# Altium PCB V5_BASE_V17.PcbDoc (part 1 of 2) (continued)
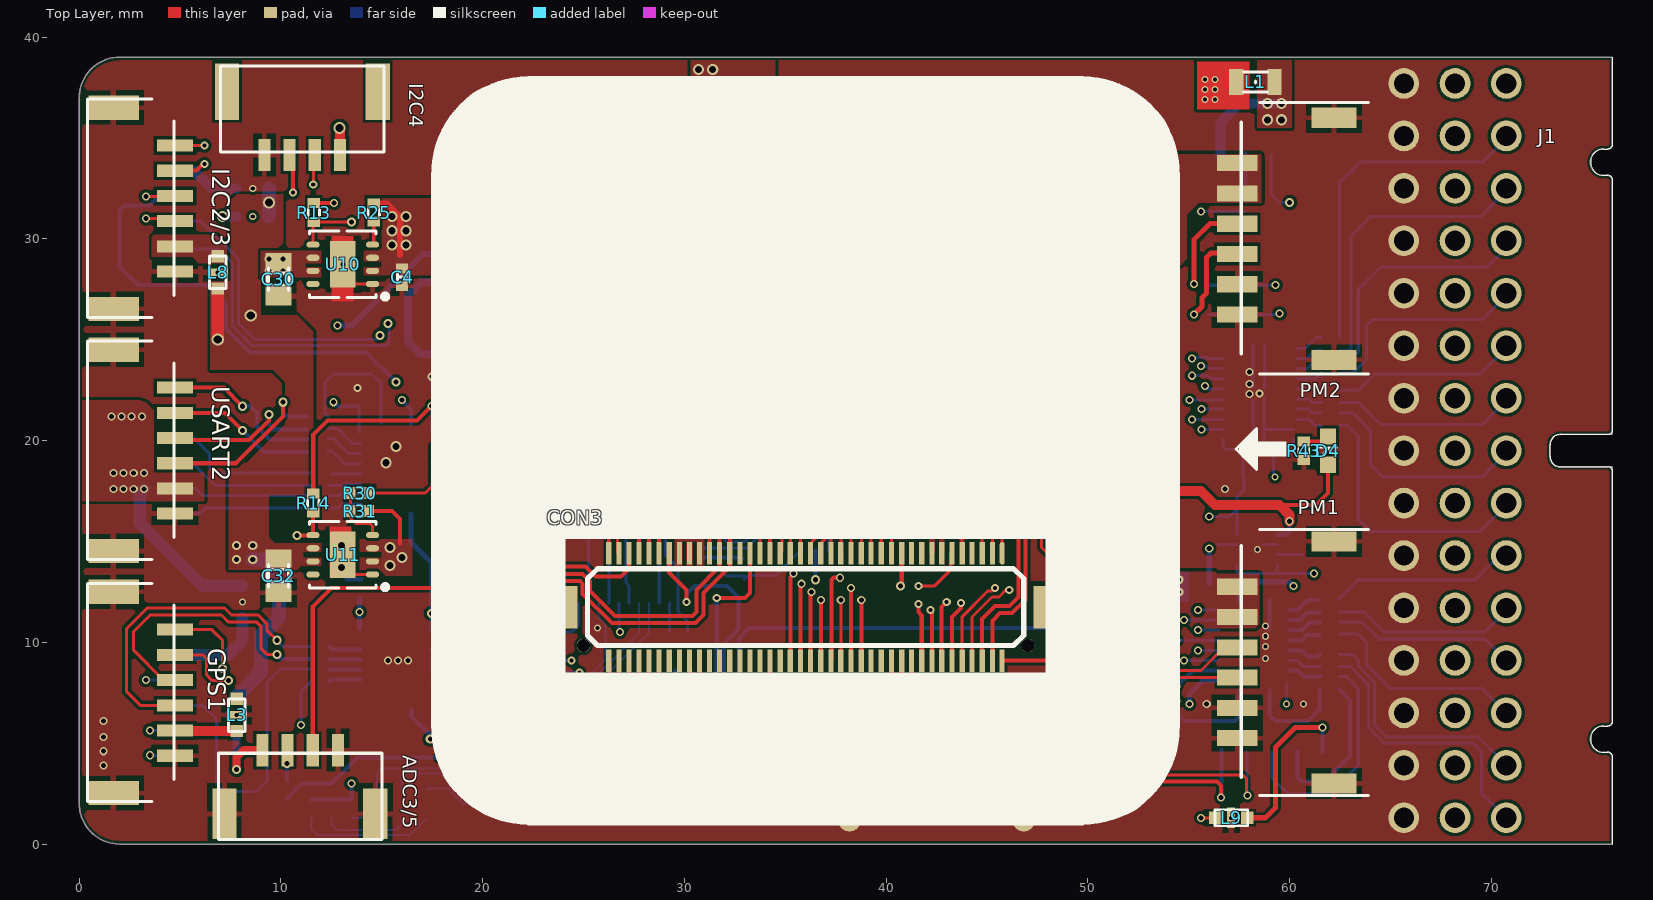
[diagram p0: Top Layer view]
## Footprints (in the part's own frame and the unit in brackets; to place one, negate y for a bottom-side part, rotate by r counter-clockwise, add the part's x,y. Pads: shape width x height; smd on the part's side, far side on the other; paste and mask are expansions set on the pad) (continued)
CUAV [mm]
DF17(1.0H)-80DP-0.5V(57) [mil] "DF17(1.0H)-80DP-0.5V(57)"
  rrect100% 10x44 smd: 1(374,104.67)
  rect 10x44 smd: 2(374,-104.67) 3(355,104.67) 4(355,-104.67) 5(335,104.67) 6(335,-104.67) 7(315,104.67) 8(315,-104.67) 9(296,104.67) 10(296,-104.67) 11(276,104.67) 12(276,-104.67) 13(256,104.67) 14(256,-104.67) 15(237,104.67) 16(237,-104.67) 17(217,104.67) 18(217,-104.67) 19(197,104.67) 20(197,-104.67) 21(178,104.67) 22(178,-104.67) 23(158,104.67) 24(158,-104.67) 25(138,104.67) 26(138,-104.67) 27(118,104.67) 28(118,-104.67) 29(99,104.67) 30(99,-104.67) 31(79,104.67) 32(79,-104.67) 33(59,104.67) 34(59,-104.67) 35(40,104.67) 36(40,-104.67) 37(20,104.67) 38(20,-104.67) 39(0,104.67) 40(0,-104.67) 41(-19.84,104.67) 42(-19.84,-104.67) 43(-39.53,104.67) 44(-39.53,-104.67) 45(-59.21,104.67) 46(-59.21,-104.67) 47(-78.9,104.67) 48(-78.9,-104.67) 49(-98.58,104.67) 50(-98.58,-104.67) 51(-118.27,104.67) 52(-118.27,-104.67) 53(-137.95,104.67) 54(-137.95,-104.67) 55(-157.64,104.67) 56(-157.64,-104.67) 57(-177.32,104.67) 58(-177.32,-104.67) 59(-197.01,104.67) 60(-197.01,-104.67) 61(-216.69,104.67) 62(-216.69,-104.67) 63(-236.38,104.67) 64(-236.38,-104.67) 65(-256.06,104.67) 66(-256.06,-104.67) 67(-275.75,104.67) 68(-275.75,-104.67) 69(-295.43,104.67) 70(-295.43,-104.67) 71(-315.12,104.67) 72(-315.12,-104.67) 73(-334.8,104.67) 74(-334.8,-104.67) 75(-354.49,104.67) 76(-354.49,-104.67) 77(-374.17,104.67) 78(-374.17,-104.67) 79(-393.86,104.67) 80(-393.86,-104.67)
  rect 56x83 smd: GND(-482.44,-0.33) GND(463,-0.33)
  round 26 hole 26 unplated: hole-1(-443.07,-75.14) hole-2(424,-75.14)
  silkscreen extent -502,-95 483,95, body extent -502,-110 482,115, height 124
KYOCERA-KNH16-DA [mm]
  rect 0.4x1 smd: GND(0,0)
  rect 0.61x0.61 smd: P$1(-0.8,0) P$2(0.8,0)
  silkscreen extent -0.8,-0.4 0.81,0.41, body extent -0.5,-0.25 0.5,0.25, height 0.35
MIC5530 [mm] "QFN, 8-Leads, Body 2.0x2.0mm (max), Pitch 0.00mm, Pitch1 0.50mm, IPC Medium Density"
  oval 0.65x0.225 smd: 1(-1,0.75) 2(-1,0.25) 3(-1,-0.25) 4(-1,-0.75) 5(1,-0.75) 6(1,-0.25) 7(1,0.25) 8(1,0.75)
  rrect50% 0.5x1.25 smd: 2(0,0)
  silkscreen extent -1.38,-1 1,1.42, body extent -1,-1 1,1, height 0.85
QFN8_0.65 [mm]
  rect 1.25x2.3 smd: 0(0,0)
  oval 0.65x0.3 smd: 1(-1.475,0.975) 2(-1.475,0.325) 3(-1.475,-0.325) 4(-1.475,-0.975) 5(1.475,-0.975) 6(1.475,-0.325) 7(1.475,0.325) 8(1.475,0.975)
  silkscreen extent -2.23,-1.65 1.65,1.72, body extent -1.6,-1.5 1.6,1.5, height 0.63
QFN24 [mm]
  rect 0.7x0.25 smd: 1(-1.9,1.25) 2(-1.9,0.75) 3(-1.9,0.25) 4(-1.9,-0.25) 5(-1.9,-0.75) 6(-1.9,-1.25) 13(1.9,-1.25) 14(1.9,-0.75) 15(1.9,-0.25) 16(1.9,0.25) 17(1.9,0.75) 18(1.9,1.25)
  rect 0.25x0.7 smd: 7(-1.25,-1.9) 8(-0.75,-1.9) 9(-0.25,-1.9) 10(0.25,-1.9) 11(0.75,-1.9) 12(1.25,-1.9) 19(1.25,1.9) 20(0.75,1.9) 21(0.25,1.9) 22(-0.25,1.9) 23(-0.75,1.9) 24(-1.25,1.9)
  rect 2x2 smd: 24(0,0)
  silkscreen extent -2,-1.9 2,2, body extent -2,-1.95 2,2.05, height 1
QFN24-RGY [mm]
  rrect50% 0.864x0.25 smd mask+0.07: 1(-2.647,-0.804) 12(2.864,-0.804) 13(2.864,0.708) 24(-2.647,0.708)
  rrect50% 0.25x0.864 smd mask+0.07: 2(-2.139,-1.804) 3(-1.656,-1.804) 4(-1.148,-1.804) 5(-0.64,-1.804) 6(-0.136,-1.804) 7(0.364,-1.804) 8(0.864,-1.804) 9(1.364,-1.804) 10(1.864,-1.804) 11(2.364,-1.804) 14(2.364,1.699) 15(1.864,1.699) 16(1.364,1.699) 17(0.864,1.699) 18(0.364,1.699) 19(-0.136,1.699) 20(-0.64,1.699) 21(-1.148,1.699) 22(-1.656,1.699) 23(-2.139,1.699)
  rect 0.6x0.2 smd mask+0.07: 22(-2.325,-0.325) 22(-2.325,0.225) 22(2.55,-0.325) 22(2.55,0.25)
  rect 3.5x1.75 smd mask+0.07: 22(0.125,0)
  silkscreen extent -2.98,-2.13 2.86,1.7, body extent -2.65,-1.8 2.87,1.72, height 1
R0402#1 [mm]
  rect 0.5x0.6 smd: 1(-0.475,0) 2(0.475,0)
  silkscreen extent -0.13,-0.27 0.14,0.28, body extent -0.51,-0.25 0.49,0.25, height 0.3
R0402#2 [mm]
  rect 0.5x0.6 smd: 1(0.275,-0.1) 2(-0.675,-0.1)
  silkscreen extent -0.13,-0.27 0.14,0.28, body extent -0.51,-0.25 0.49,0.25, height 0.3
SM06B-GHS-TB [mm]
  rect 1.2x2.5 smd: 1(-4.975,1.8) 1(5,1.8)
  rect 0.6x1.8 smd: 1(-3.125,-1.25) 2(-1.875,-1.25) 3(-0.625,-1.25) 4(0.625,-1.25) 5(1.875,-1.25) 6(3.125,-1.25)
  silkscreen extent -5.4,-1.2 5.43,3.1, body extent -5.38,-1.88 5.37,2.97, height 4.35
SM07B-GHS [mm] "dronecode"
  rect 0.6x1.6 smd: 1(-3.75,0) 2(-2.5,0) 3(-1.25,0) 4(0,0) 5(1.25,0) 6(2.5,0) 7(3.75,0)
  rect 1.2x2.8 smd: 7(-5.5,-2.95) "7 "(5.5,-2.95)
  silkscreen extent -6,-4.22 6.02,0.05, body extent -6,-4.35 6,0.5, height 4.35
TP0.75#1 [mm]
  round 0.75 smd: 0(0,0)
TP0.75#2 [mm]
  round 1 smd: 0(0,0)
TQFP48 [mm]
  rect 1x0.24 smd: 1(-4.65,2.85) 2(-4.65,2.35) 3(-4.65,1.85) 4(-4.65,1.35) 5(-4.65,0.85) 6(-4.65,0.35) 7(-4.65,-0.15) 8(-4.65,-0.65) 9(-4.65,-1.15) 10(-4.65,-1.65) 11(-4.65,-2.15) 12(-4.65,-2.65) 25(4.35,-2.65) 26(4.35,-2.15) 27(4.35,-1.65) 28(4.35,-1.15) 29(4.35,-0.65) 30(4.35,-0.15) 31(4.35,0.35) 32(4.35,0.85) 33(4.35,1.35) 34(4.35,1.85) 35(4.35,2.35) 36(4.35,2.85)
  rect 0.24x1 smd: 13(-2.9,-4.4) 14(-2.4,-4.4) 15(-1.9,-4.4) 16(-1.4,-4.4) 17(-0.9,-4.4) 18(-0.4,-4.4) 19(0.1,-4.4) 20(0.6,-4.4) 21(1.1,-4.4) 22(1.6,-4.4) 23(2.1,-4.4) 24(2.6,-4.4) 37(2.6,4.6) 38(2.1,4.6) 39(1.6,4.6) 40(1.1,4.6) 41(0.6,4.6) 42(0.1,4.6) 43(-0.4,4.6) 44(-0.9,4.6) 45(-1.4,4.6) 46(-1.9,4.6) 47(-2.4,4.6) 48(-2.9,4.6)
  silkscreen extent -3.52,-3.27 3.23,3.48, body extent -4.66,-4.41 4.36,4.61, height 1.1
TSSOP8 [mm] "TSOP, 8-Leads, Body 3.00x3.00mm, Pitch 0.65mm, IPC Medium Density"
  oval 1x0.4 smd: 1(-1.95,0.975) 2(-1.95,0.325) 3(-1.95,-0.325) 4(-1.95,-0.975) 5(1.95,-0.975) 6(1.95,-0.325) 7(1.95,0.325) 8(1.95,0.975)
  silkscreen extent -2.12,-1.45 1.15,1.87, body extent -1.99,-1.45 1.99,1.45, height 1.1
V5_IO_PWM [mil]
  round 60 hole 39.37: 1(-716.54,100) 2(-614.17,100) 3(-511.81,100) 4(-409.45,100) 5(-307.09,100) 6(-204.72,100) 7(-102.36,100) 8(0,100) 9(102.36,100) 10(204.72,100) 11(307.09,100) 12(409.45,100) 13(511.81,100) 14(614.17,100) 15(716.54,100) GND(-716.54,-100) GND(-614.17,-100) GND(-511.81,-100) GND(-409.45,-100) GND(-307.09,-100) GND(-204.72,-100) GND(-102.36,-100) GND(0,-100) GND(102.36,-100) GND(204.72,-100) GND(307.09,-100) GND(409.45,-100) GND(511.81,-100) GND(614.17,-100) GND(716.54,-100) RC_VCC(-716.54,0) "SERVO VCC"(-614.17,0) "SERVO VCC"(-511.81,0) "SERVO VCC"(-409.45,0) "SERVO VCC"(-307.09,0) "SERVO VCC"(-204.72,0) "SERVO VCC"(-102.36,0) "SERVO VCC"(0,0) "SERVO VCC"(102.36,0) "SERVO VCC"(204.72,0) "SERVO VCC"(307.09,0) "SERVO VCC"(409.45,0) "SERVO VCC"(511.81,0) "SERVO VCC"(614.17,0) "SERVO VCC"(716.54,0)
  silkscreen extent -768,186 768,308, body extent -768,-113 768,742, height 311
VQFN20 [mm]
  oval 0.3x0.7 smd: 1(-0.75,2.25) 10(-0.75,-2.25) 11(0.75,-2.25) 20(0.75,2.25)
  oval 0.7x0.3 smd: 2(-1.75,1.75) 3(-1.75,1.25) 4(-1.75,0.75) 5(-1.75,0.25) 6(-1.75,-0.25) 7(-1.75,-0.75) 8(-1.75,-1.25) 9(-1.75,-1.75) 12(1.75,-1.75) 13(1.75,-1.25) 14(1.75,-0.75) 15(1.75,-0.25) 16(1.75,0.25) 17(1.75,0.75) 18(1.75,1.25) 19(1.75,1.75)
  rect 1.8x2.8 smd: 21(0,0)
  silkscreen extent -2.73,-2.45 1.95,2.45, body extent -1.9,-2.4 1.9,2.4, height 1

## Part data
C1: library part "Cap Pol1", "Polarized Capacitor (Radial)"
C2 C3 C4 C5 C6 C7 C8 C9 C10 C11 C12 C13 C14 C15 C16 C17 C18 C21 C23 C24 C25 C26 C50 C51: library part Cap
C19 C20 C22 C27 C28 C29 C30 C31 C32: library part Cap, "Capacitor"
C35 C36 C37 C40: "50V 5%"
C38 C39: library part 0402C100NF, "50V 5%"
CAN1 CAN2 DEBUG I2C4 RSSI: "dronecode"
CON3: library part CON-DF17-80F, "CONN RECEPT 80POS .5MM SMD W/FIT"
IO-SWCLK IO-SWDIO: "TP_0.75MM"
JP1 JP2: library part 0402R-SR
L1: library part 0402R100R, "0402R100R 1%"
L2 L3 L4 L5 L6 L7 L8 L9 L10 L13: "Capacitor, Filter, 0.1uF, 25V, 2A, 0603, SMD"
PM1 PM2: library part 5054050660
R1 R2 R3 R4 R5 R6 R7 R8 R9 R10 R11 R12 R13 R14 R40 R41 R50 R53: library part Res2, "Resistor"
R15 R16 R18 R23 R24 R27 R28: library part 0402-8R-4R
R17 R20 R21 R25 R26 R29 R30 R31 R32 R33 R34 R35 R36 R37 R38 R39 R42 R43 R44: library part 0402R1K, "0402R1K 1%"
R19: "0402R1K 1%"
R22: "0402R100R 1%"
TP3 TP4: library part TP_0.75, "TP_0.75MM"
U7 U9: library part MIC5530
U13: library part STM32F10XCXT6, "MCU 32BIT ARM 64K FLASH 48LQFP"
U14: library part 74LVC2G240
X1: library part OSCILLATOR-3.2X2.5, "CRYSTAL 24MHZ 8PF SMD"

## Free pads (board coordinates)
  round 0 / inner round 0 / far side round 5 hole 2.6: 0(21.75,5.25) 0(21.75,33.75) 0(50.25,5.25) 0(50.25,33.75)
  round 1 smd far side: 2(20.3,24.3) 3(14.8,27.1) 4(6.3,12.8) 5(17.4,5.2) 6(56.013,12.913) 7(9.9,12.8)
  round 1.5 smd far side: 8(65.66,37.7)

## Via types
v1: diameter 0.4, hole 0.25, Top Layer to Bottom Layer, tented both sides, 112 vias
v2: diameter 0.45, hole 0.25, Top Layer to Bottom Layer, tented both sides, 65 vias
v3: diameter 0.55, hole 0.35, Top Layer to Bottom Layer, tented both sides, 49 vias
v4: diameter 0.35, hole 0.2, Top Layer to Bottom Layer, tented both sides, 42 vias
v5: diameter 0.4, hole 0.2, Top Layer to Bottom Layer, tented both sides, 37 vias
v6: diameter 0.4, hole 0.2, Top Layer to Bottom Layer, 23 vias
v7: diameter 0.6, hole 0.4, Top Layer to Bottom Layer, tented both sides, 4 vias

## Nets (pads, with @x,y where several pads share a name; then routed paths per layer and width w, separated by ;. In a path a pad name is that pad's centre, name@x,y a point inside that pad or via, vN(x,y) a via of type N, cw(c..) or ccw(c..) an arc to the next point about the centre after c; other vN are vias at no path point)
3V3_ADC: ADC3/5.2 R19.2 | length 0.9
  Bottom Layer w0.2: R19.2@10.3,3.15 v2(10.3,4)
3V3_SENSORS_ADC: CON3.21 R19.1 | length 45.8
  Top Layer w0.2: v2(40.7,12.8) 40.771,12.871 CON3.21@40.771,14.408
  Signal Layer 1 w0.2: v1(17.9,4.3) 20.508,4.3 21.358,3.45 27.15,3.45 27.4,3.2 29.1,4.9 38.9,4.9 40.3,6.3 42.9,6.3 43.6,7 43.6,8.4 42.9,9.1 41.2,9.1 40.7,9.6 v2(40.7,12.8)
  Bottom Layer w0.2: R19.1@10.3,2.25 10.7,2.65 10.704,2.65 10.85,2.796 10.85,2.8 11.05,3 12.5,3 13.8,4.3 v1(17.9,4.3)
5V_OUT1: C30.1 L4.P$1 pad.4 U10.6 U10.7 USART2.2 USART3.2 | length 8.2
  Bottom Layer w0.6: v1(3.2,17.6) 3,17.4 3,15.9 6.1,12.8 L4.P$1@8.1,12.8
  other v1: 1.7,17.6 2.2,17.6 2.7,17.6 1.7,18.4 2.2,18.4 2.7,18.4 3.2,18.4 1.6,21.2 2.1,21.2 2.6,21.2 3.1,21.2
  other v2: 9.4,28.4 10.1,28.4 9.4,29 10.1,29
5V_OUT1_EN: R25.1 U10.4 | length 1.2
  Top Layer w0.154: U10.4@14.539,29.711 14.6,29.772 R25.1@14.6,30.85
5V_OUT2: C32.1 L2.P$2 L3.P$1 L5.P$2 L6.P$2 L7.P$1 L8.P$1 L10.P$2 L13.P$2 pad.7 U11.6 U11.7 | length 106.6
  Top Layer w0.15: L8.P$1@6.864,27.536 L8.P$1@6.899,27.5
  Top Layer w0.6: v7(6.864,25) L8.P$1@6.864,27.536
  Signal Layer 2 w0.6: v7(6.864,25) 6.864,26.836 5.9,27.8 3.6,27.8 1.7,29.7 1.7,34.773 3.027,36.1 7.573,36.1 8.923,34.75 17.65,34.75 20.675,31.725 35.125,31.725 35.8,32.4 v3(35.8,32.8)
  Signal Layer 2 w0.7: v2(8.6,14.1) v2(7.8,14.1) 7,14.1 5.85,12.95 5.85,8.5 7.15,7.2 22.827,7.2 25.102,4.925 34.675,4.925 35.5,5.75 35.5,7.6 v3(35.8,7.9)
  Bottom Layer w0.6: L2.P$2@34.8,8.1 35.6,8.1 v3(35.8,7.9) ; L6.P$2@35.2,32.8 v3(35.8,32.8) L10.P$2@36.4,32.8
  Bottom Layer w0.7: L13.P$2@7.8,7.3 7.8,7.313 9,8.513 9,10.325 9.5,10.825 9.525,10.825 9.9,11.2 pad.7@9.9,12.8 9.9,13.3 9.1,14.1 v2(8.6,14.1) ; L5.P$2@9.4,31.1 v7(9.4,31.8) L7.P$1@9.4,32.5
  other v2: 7.8,14.8 8.6,14.8
  other v7: 8.5,26.2
5V_OUT2_EN: R30.1 R31.1 U11.4 | length 2.9
  Top Layer w0.15: R30.1@13.45,17.4 R31.1@13.45,16.5 13.45,16.15 13.7,15.9 14.4,15.9 14.539,15.761 U11.4@14.539,15.411
ADC1_SPARE_1_CHANNEL: CON3.64 R26.1 | length 44.3
  Top Layer w0.15: CON3.64@30.246,9.091 30.246,7.554 30.5,7.3 v1(32.7,7.3)
  Signal Layer 1 w0.15: v1(25.8,3.9) 27.6,3.9 28.925,5.225 32.311,5.225 32.7,5.614 v1(32.7,7.3)
  Bottom Layer w0.2: v1(32.7,7.3) 32.7,10.2 33.2,10.7 48.8,10.7 49.5,11.4 49.5,14 50.2,14.7 51.8,14.7 53,15.9 R26.1@53,19.75
ADC1_SPARE_2_CHANNEL: CON3.60
ADC_VCC2: ADC3/5.1 L13.P$1 | length 3.9
  Top Layer w0.4: v2(7.8,3.7) 7.8,4.3 8.15,4.65 ADC3/5.1@9.075,4.65
  Bottom Layer w0.4: v2(7.8,3.7) L13.P$1@7.8,5.6
ALARM: CON3.24 SAFE.3 | length 73.7
  Top Layer w0.2: v2(21.2,11.8) 21.2,10.7 20.7,10.2 20.7,8.1 21.25,7.55 23.845,7.55 25.945,5.45 39.255,5.45 40.263,6.458 CON3.24@40.263,9.091
  Signal Layer 1 w0.2: v2(15.7,22.9) 15.066,22.9 13.425,21.259 13.425,19.429 13.375,19.379 10.325,16.329 10.325,13.742 11.342,12.725 17.241,12.725 17.791,12.175 19.897,12.175 20.272,11.8 v2(21.2,11.8)
  Bottom Layer w0.2: SAFE.3@4.75,32.125 3.961,32.125 3.486,31.65 2.25,31.65 2,31.4 2,28.6 2.9,27.7 6.3,27.7 7.275,26.725 7.275,25.541 8.441,24.375 14.225,24.375 v2(15.7,22.9)
AUX1: J1.10 R27.5 | length 9.2
  Bottom Layer w0.15: R27.5@62.438,12.136 63.403,13.1 69.2,13.1 70.348,14.248 J1.10@70.799,14.248
AUX2: J1.11 R27.6 | length 9.3
  Bottom Layer w0.15: R27.6@62.438,11.511 63.689,11.511 64.7,10.5 69.651,10.5 J1.11@70.799,11.648
AUX3: J1.12 R27.7 | length 9.2
  Bottom Layer w0.15: R27.7@62.438,11.01 63.59,11.01 64.45,10.15 69.698,10.15 J1.12@70.799,9.048
AUX4: J1.13 R27.8 | length 10.6
  Bottom Layer w0.15: R27.8@62.438,10.386 62.453,10.4 63.4,10.4 63.8,10 63.8,8.9 65,7.7 69.548,7.7 J1.13@70.799,6.448
AUX5: J1.14 R28.5 | length 12.1
  Bottom Layer w0.15: R28.5@62.438,9.436 62.474,9.4 63.1,9.4 63.4,9.1 63.4,8.824 64.2,8.024 64.2,5.9 64.8,5.3 69.348,5.3 J1.14@70.799,3.848
AUX6: J1.15 R28.6 | length 13.9
  Bottom Layer w0.15: R28.6@62.438,8.811 62.989,8.811 63.9,7.9 63.9,5.776 64.676,5 69.1,5 69.5,4.6 69.5,2.54 J1.15@70.74,1.3 ; J1.15@70.744,1.304 J1.15@70.799,1.248
AUX_1: R27.4 U19.12 | length 1.7
  Bottom Layer w0.2: U19.12@60,11.6 60.4,11.6 60.9,12.1 R27.4@61.475,12.1
AUX_2: R27.3 U19.13 | length 1.6
  Bottom Layer w0.2: U19.13@60,11.1 60.5,11.1 60.875,11.475 R27.3@61.475,11.475
AUX_3: R27.2 U19.14 | length 1.6
  Bottom Layer w0.2: U19.14@60,10.6 60.6,10.6 60.975,10.975 R27.2@61.475,10.975
AUX_4: R27.1 U19.15 | length 1.6
  Bottom Layer w0.2: U19.15@60,10.1 60.6,10.1 60.85,10.35 R27.1@61.475,10.35
AUX_5: R28.4 U19.16 | length 1.6
  Bottom Layer w0.2: U19.16@60,9.6 60.6,9.6 60.9,9.3 61.375,9.3 R28.4@61.475,9.4
AUX_6: R28.3 U19.17 | length 1.7
  Bottom Layer w0.15: U19.17@60,9.1 60.4,9.1 60.689,8.811 R28.3@61.539,8.811
AUX_BATT_CURRENT: JP1.2 PM2.3 | length 4.7
  Top Layer w0.25: v1(55.25,27.75) 55.25,29.95 56.05,30.75 PM2.3@57.4,30.75
AUX_BATT_CURRENT_SENS: CON3.25 JP1.1 | length 25.8
  Top Layer w0.15: CON3.25@39.755,14.408 39.755,17.15 43.105,20.5 52.7,20.5 53.6,21.4 53.6,25.8 53.3,26.1 53.3,26.7 53.875,27.275 v1(53.875,27.675)
  Bottom Layer w0.15: v1@53.8,27.6 v1(53.875,27.675) 53.95,27.75 JP1.1@54.55,27.75
AUX_BATT_VOLTAGE: JP2.2 PM2.4 | length 4.7
  Top Layer w0.25: v1(55.25,26.25) 55.65,26.65 55.65,27.078 55.886,27.314 55.886,29.086 56.1,29.3 57.35,29.3 PM2.4@57.4,29.25
AUX_BATT_VOLTAGE_SENS: CON3.23 JP2.1 | length 23.7
  Top Layer w0.15: CON3.23@40.263,14.408 40.263,17.163 43.3,20.2 52.824,20.2 53.9,21.276 v1(53.9,26.2)
  Bottom Layer w0.15: v1(53.9,26.2) 53.95,26.25 JP2.1@54.55,26.25
BATT1_CURRENT_PROT: CON3.49 PM1.3 | length 33.3
  Top Layer w0.15: v5(33.6,16) 33.746,15.854 CON3.49@33.746,14.408 ; v5(48.7,14.9) 49.7,13.9 49.7,9.6 49.975,9.325 52.875,9.325 53.6,8.6 55.6,8.6 56.75,9.75 PM1.3@57.4,9.75
  Signal Layer 1 w0.15: v5(33.6,16) 33.725,15.875 34.47,15.875 35.22,16.625 36.175,16.625 36.65,16.15 41.85,16.15 42.1,15.9 42.1,15.351 43.451,14 47.7,14 48.7,15 v5(48.7,14.9)
BATT1_VOLTAGE_PROT: CON3.47 PM1.4 | length 32.9
  Top Layer w0.15: v5(48.2,15.2) 48.25,15.25 48.25,14.749 48.524,14.475 ; 48.525,14.475 49.35,13.65 49.35,9.526 49.851,9.025 52.675,9.025 53.45,8.25 PM1.4@57.4,8.25
  Top Layer w0.2: CON3.47@34.246,14.408 34.246,16.354 34.392,16.5 v5(34.4,16.5)
  Signal Layer 1 w0.15: v5(34.4,16.5) 34.6,16.5 35.025,16.925 36.438,16.925 36.914,16.45 41.974,16.45 42.4,16.024 42.4,15.476 43.576,14.3 47.424,14.3 48.3,15.176 48.276,15.2 v5(48.2,15.2)
CAN1_VCC: CAN1.1 L10.P$1 | length 3.2
  Bottom Layer w0.5: L10.P$1@38.3,32.8 40,32.8 40.325,33.125 CAN1.1@40.325,34.15
CAN2_VCC: CAN2.1 L6.P$1 | length 6.5
  Bottom Layer w0.5: CAN2.1@27.825,34.15 27.825,33.275 28.3,32.8 L6.P$1@33.3,32.8
CAN_H_1: CAN2.2 CON3.79 | length 33
  Top Layer w0.15: 26.261,23.1 26.261,14.423 CON3.79@26.246,14.408 26.246,32.546 28.688,34.988 v4(28.688,35.825)
  Bottom Layer w0.15: v4(28.688,35.825) 28.775,35.825 29.075,35.525 CAN2.2@29.075,34.15
CAN_H_2: CAN1.2 CON3.41 | length 25.7
  Top Layer w0.15: CON3.41@35.746,14.408 35.746,15.635 36.285,16.174 36.285,25.509 39.9,29.124 39.9,32.724 40.6,33.424 40.6,35.7 40.556,35.744 v4(40.556,35.694)
  Bottom Layer w0.15: v4(40.556,35.694) 41.106,35.694 41.575,35.225 CAN1.2@41.575,34.15
CAN_L_1: CAN2.3 CON3.77 | length 24.6
  Top Layer w0.15: CON3.77@26.746,14.408 26.675,14.48 26.675,32.551 28.524,34.4 ; 28.525,34.4 v4(29.925,35.8)
  Bottom Layer w0.15: v4(29.925,35.8) 30,35.8 30.325,35.475 CAN2.3@30.325,34.15
CAN_L_2: CAN1.3 CON3.39 | length 26.1
  Top Layer w0.15: CON3.39@36.25,14.408 36.25,14.904 36.6,15.254 36.6,25.4 40.2,29 40.2,32.6 40.9,33.3 40.9,35.15 41.45,35.7 v4(41.8,35.7)
  Bottom Layer w0.15: v4(41.8,35.7) 42.3,35.7 42.825,35.175 CAN1.3@42.825,34.15
D2_3V3: C14.2 C16.2 C20.1 pad.3 U5.19 U6.19 U7.8 | length 31.3
  Signal Layer 1 w0.25: v1(12.6,21.9) 12.6,19.771 9.5,16.671 9.5,13.4 11,11.9 13.5,11.9 v1(13.9,11.5)
  Signal Layer 1 w0.3: v1(12.6,21.9) 12.6,25.5 v1(12.8,25.7)
  Bottom Layer w0.15: v1(12.6,21.9) 12.8,21.7 13.853,21.7 C16.2@13.864,21.711 U6.19@13.864,20.436 ; C14.2@13.864,12.211 C14.2@13.9,12.174
  Bottom Layer w0.254: U5.19@13.9,10.687 v1(13.9,11.5) C14.2@13.9,12.174
  Bottom Layer w0.3: v1(12.8,25.7) 13.5,25.7 17.05,29.25 C20.1@17.875,29.25
  Bottom Layer w0.4: C20.1@18.482,29.35 C20.1@18.5,29.331 ; C20.1@18.5,29.431 19.369,29.431 19.568,29.232 U7.8@19.568,28.65
FMU-CAP1-PROT: CON3.50
FMU-CAP2-PROT: CON3.52
FMU-CAP3-PROT: CON3.54
FMU-SWCLK: CON3.2 DEBUG.5 | length 18.8
  Top Layer w0.2: CON3.2@45.75,9.091 48.809,9.091 49.5,8.4 52.416,8.4 52.875,7.941 52.875,3.965 53.74,3.1 56.4,3.1 56.6,2.9 v1(56.6,2.3)
  Bottom Layer w0.2: v1@56.6,2.2 v1(56.6,2.3) ; v1@56.625,2.275 DEBUG.5@56.625,4.65
FMU-SWDIO: CON3.1 DEBUG.4 | length 32.3
  Top Layer w0.15: CON3.1@45.75,14.408 45.75,16.249 45.275,16.724 45.275,17.875 45.625,18.225 47.275,18.225 47.7,17.8 47.7,14.7 49.05,13.35 49.05,9.35 49.675,8.725 52.551,8.725 53.2,8.076 53.2,4.1 53.875,3.425 57.675,3.425 57.85,3.25 57.85,2.45 v1(57.9,2.4)
  Bottom Layer w0.15: DEBUG.4@57.875,4.55 57.875,2.325 57.9,2.35 v1(57.9,2.4)
FMU_CH1-PROT: CON3.80 U19.9 | length 33.9
  Top Layer w0.15: CON3.80@26.246,9.091 26.3,9.037 v1(26.3,7.8)
  Signal Layer 2 w0.15: v1(26.3,7.8) 26.308,7.808 26.308,8.408 28.775,10.875 45.125,10.875 46.375,12.125 48.797,12.125 49.022,11.9 53.5,11.9 53.8,11.6 v1(55.463,11.6)
  Bottom Layer w0.15: v1(55.463,11.6) U19.9@56.5,11.6
FMU_CH2-PROT: CON3.78 U19.8 | length 34.2
  Top Layer w0.15: v1(26.746,7.354) CON3.78@26.746,9.091
  Signal Layer 2 w0.15: v1(26.746,7.354) 26.746,8.27 29.051,10.575 45.249,10.575 46.499,11.825 48.673,11.825 48.898,11.6 53.297,11.6 53.797,11.1 v1(54.763,11.1)
  Bottom Layer w0.15: v1(54.763,11.1) U19.8@56.5,11.1
FMU_CH3-PROT: CON3.76 U19.7 | length 32.3
  Top Layer w0.15: v1(27.246,8.054) CON3.76@27.246,9.091
  Signal Layer 2 w0.15: v1(27.246,8.054) 27.246,8.346 29.175,10.275 45.373,10.275 46.623,11.525 48.549,11.525 48.774,11.3 53.173,11.3 53.873,10.6 v1(55.463,10.6)
  Bottom Layer w0.15: v1(55.463,10.6) U19.7@56.5,10.6
FMU_CH4-PROT: CON3.74 U19.6 | length 33.1
  Top Layer w0.15: v1(27.746,7.354) CON3.74@27.746,9.091
  Signal Layer 2 w0.15: v1(27.746,7.354) 27.746,8.27 29.451,9.975 45.498,9.975 46.748,11.225 48.425,11.225 48.65,11 53.049,11 53.949,10.1 v1(54.4,10.1)
  Bottom Layer w0.15: v1(54.4,10.1) U19.6@56.5,10.1
FMU_CH5-PROT: CON3.72 U19.5 | length 31.2
  Top Layer w0.15: v1(28.246,8.054) CON3.72@28.246,9.091
  Signal Layer 2 w0.15: v1(28.246,8.054) 28.246,8.346 29.575,9.675 45.622,9.675 46.872,10.925 48.3,10.925 48.525,10.7 52.924,10.7 54.024,9.6 v1(55.463,9.6)
  Bottom Layer w0.15: v1(55.463,9.6) U19.5@56.5,9.6
FMU_CH6-PROT: CON3.70 U19.4 | length 32.1
  Top Layer w0.15: v1(28.746,7.354) CON3.70@28.746,9.091
  Signal Layer 2 w0.15: v1(28.746,7.354) 28.746,8.346 29.775,9.375 45.746,9.375 46.996,10.625 48.176,10.625 48.401,10.4 52.8,10.4 53.9,9.3 54.563,9.3 v1(54.763,9.1)
  Bottom Layer w0.15: v1(54.763,9.1) U19.4@56.5,9.1
FMU_CH7-PROT: CON3.68
FMU_CH8-PROT: CON3.66
FMU_RC_IN_PORT: CON3.62 R42.2 | length 2.1
  Top Layer w0.15: v1(30.746,7.9) CON3.62@30.746,9.091
  Bottom Layer w0.15: R42.2@30.3,8.6 30.746,8.154 v1(30.746,7.9)
FMU_RESET: CON3.53
FMU_USART6_TX: CON3.46
GND: "SPI5.7 " ADC3/5.4 C1.C C2.1 C3.1 C4.1 C5.1 C6.1 C7.2 C8.2 C9.2 C10.2 C11.2 C12.2 C13.1 C14.1 C15.1 C16.1 C17.1 C18.2 C19.2 C20.2 C21.2 C22.2 C23.1 C24.2 C25.2 C26.1 C27.2 C28.2 C29.2 C30.2 C31.2 C32.2 C35.1 C36.1 C37.1 C38.2 C39.1 C40.2 C50.1 C51.1 CAN1.4 CAN2.4 CON3.13 CON3.15 CON3.GND DEBUG.6 GPS1.1 I2C2/3.1 I2C4.4 J1.GND L2.GND L3.GND L4.GND L5.GND L6.GND L7.GND L8.GND L9.GND L10.GND L13.GND pad.0 pad.8 PM1.5 PM1.6 PM2.5 PM2.6 R7.1 R8.1 R9.1 R35.2 R39.1 R41.1 R43.2 RSSI.4 SAFE.1 SPI5.7 TP3.0 U3.10 U3.24 U5.11 U5.21 U6.11 U6.21 U7.2 U8.11 U8.12 U8.13 U8.22 U9.2 U10.0 U10.1 U11.0 U11.1 U13.4 U13.8 U13.23 U13.35 U13.47 U14.1 U14.4 U19.11 U19.21 USART2.1 USART3.1 USART4.1 USB.0 USB.A1 USB.A12 USB.B1 USB.B12 X1.2 X1.4 | length 48.1
  Top Layer w0.15: U11.0@13.2,13.361 U11.1@14.539,13.361 ; U10.0@13.2,27.761 U10.1@14.539,27.761 ; USB.0@46.82,7.275 USB.0@46.82,7.92 ; PM1.5@56.55,6.5 PM1.5@56.8,6.75
  Bottom Layer w0.15: v5(13.8,22.6) 13.824,22.6 C16.1@13.864,22.561 ; C15.1@17.464,22.561 v5(17.464,23.164) ; 20.818,28.05 U7.2@21.568,28.05 ; U3.24@37.85,23.3 37.85,23.95 U3.24@39.1,25.2 ; U3.24@39.375,25.475 C3.1@39.375,29.1 C5.1@39.375,30.2 ; U8.22@58.175,19.875 U8.22@58.175,22 ; U8.22@58.175,22.65 58.175,23.4 U8.22@58.175,24.75 ; 58.65,14.85 U9.2@59.4,14.85 ; U8.22@58.725,19.875 58.725,20.544 ; U8.22@58.725,22.1 58.725,20.544 ; U8.22@58.75,22.575 U8.22@58.75,24.75 ; U8.22@60.199,20.544 58.725,20.544
  Bottom Layer w0.2: v3(13,13.7) 13,13.4 13.275,13.125 C14.1@14,13.125 ; 19,18.3 19,17.801 R39.1@19.45,17.351 ; C36.1@19.575,19.2 19.575,19.146 20.221,18.5 21,18.5 21.2,18.7 U13.47@22,18.7 ; C37.1@21.875,11.9 21.875,11.125 22.1,10.9 24,10.9 24.25,11.15 U13.35@24.25,11.95 ; X1.2@24.7,24.45 24.775,24.375 C38.2@24.775,22.9 ; U13.4@25.25,20.95 25.25,20.35 25.475,20.125 27.025,20.125 27.25,20.35 U13.8@27.25,20.95 v2@27.25,21.65 ; C39.1@27.225,22.9 28.05,23.725 C40.2@28.2,23.725 ; v2@27.275,21.775 v2(27.237,21.738) 27.2,21.7 v2@27.3,21.7 ; U13.23@31,14.2 32.8,14.2 C23.1@32.875,14.125 ; R35.2@32.6,16.45 33.35,16.45 33.575,16.675 v4(33.575,16.9) R41.1@33.575,17.4 ; U14.1@35.847,18.098 35.847,17.553 36,17.4 37.528,17.4 37.797,17.669 U14.4@37.797,18.098 ; U19.21@59,10.6 U19.11@59,12.1
  other v1: 1.2,3.9 1.2,4.6 1.2,5.3 1.2,6.1 55.889,6.936 15.3,9.1 15.8,9.1 16.3,9.1 56.8,17.6 58,22.3 58,22.8 58,23.4
  other v2: 13.064,28.736
  other v3: 13,14.8 15.2,18.9 15.7,19.7 17.825,26.15 20.568,27.8
  other v4: 57.1,1.3 7.8,6.4 7.8,6.4 60.689,6.936 34.8,7.3 58.8,9.2 58.8,9.8 58.8,10.3 25.7,10.7 58.8,10.8 8.1,12 51.75,12.725 48.1,12.8 58.4,14.6 36.2,15.5 38.6,18.1 18.8,21.7 19.4,21.7 45.025,27.6 6.864,28.336 8.6,31.1 8.6,32.5 34.3,32.8 37.3,32.8
  other v5: 58.5,22.325 44.925,23.4 38.5,25.2 39.7,25.2
GPIO_SPI5_MISO: CON3.67 SPI5.3 | length 14.1
  Top Layer w0.2: CON3.67@29.246,14.408 29.246,13.454 30.1,12.6 v6(30.1,12)
  Bottom Layer w0.2: v6(30.1,12) 30.1,12.4 30.5,12.8 32.1,12.8 32.673,12.227 32.673,10.668 31.95,9.945 31.95,6.75 32.25,6.45 SPI5.3@32.25,4.7
GPIO_SPI5_MOSI: CON3.51 SPI5.4 | length 11.5
  Top Layer w0.2: v6(31.6,12.2) 33,12.2 33.246,12.446 CON3.51@33.246,14.408
  Bottom Layer w0.2: SPI5.4@31,4.7 31,6.2 31.6,6.8 v6(31.6,12.2)
GPIO_SPI5_SCK: CON3.73 SPI5.2 | length 28.8
  Top Layer w0.2: CON3.73@27.746,14.408 27.746,16.346 v6(28.4,17)
  Signal Layer 2 w0.15: v6(28.4,17) 28.175,16.775 28.175,12.974 27.001,11.8 24.1,11.8 23.1,10.8 23.1,7.86 25.46,5.5 33,5.5 v2(33.5,6)
  Bottom Layer w0.2: SPI5.2@33.5,4.7 v2(33.5,6)
GPS1_RX1: GPS1.3 R18.4 | length 16.3
  Top Layer w0.15: GPS1.3@4.75,6.875 3.025,6.875 2.35,7.55 2.35,10.681 3.369,11.7 7.195,11.7 7.545,11.35 8.874,11.35 9.3,10.924 9.3,10.6 v2(9.8,10.1)
  Bottom Layer w0.15: v2(9.8,10.1) 10.1,9.8 R18.4@11.475,9.8
GPS1_TX1: GPS1.4 R18.3 | length 14.3
  Top Layer w0.15: GPS1.4@4.75,8.125 4.175,8.125 2.7,9.6 2.7,10.536 3.514,11.35 7.05,11.35 7.4,11 8.8,11 9,10.8 9,9.7 9.3,9.4 v2(9.8,9.4)
  Bottom Layer w0.2: v2(9.8,9.4) 10.025,9.175 R18.3@11.475,9.175
GPS1_VCC: GPS1.2 L3.P$2 | length 3.1
  Top Layer w0.5: GPS1.2@4.75,5.625 4.775,5.6 L3.P$2@7.8,5.6
GPS2_VCC: L4.P$2 USART4.2 | length 4.4
  Bottom Layer w0.6: USART4.2@5.1,9.375 7.375,9.375 8.1,10.1 L4.P$2@8.1,11.2
I2C2_VCC: I2C2/3.2 L8.P$2
I2C4_VCC: I2C4.1 L5.P$1 | length 11.4
  Top Layer w0.5: v7(12.9,35.5) 12.925,35.475 I2C4.1@12.925,34.15
  Signal Layer 1 w0.5: v3(7.1,31.1) 7.1,32.823 8.177,33.9 12.5,33.9 12.9,34.3 v7(12.9,35.5)
  Bottom Layer w0.5: v3(7.1,31.1) L5.P$1@7.8,31.1
I2C_2_SCL: CON3.6 I2C2/3.5 | length 61
  Top Layer w0.2: I2C2/3.5@4.75,33.375 5.8,33.375 6.125,33.7 v6(6.2,33.7) ; CON3.6@44.759,9.091 44.759,11.159 45.4,11.8 46.1,11.8 46.55,12.25 46.55,12.786 46.55,17.25 v6(46.2,17.6)
  Signal Layer 2 w0.2: v6(6.2,33.7) 7.6,33.7 8.15,33.15 16.949,33.15 19.974,30.125 31.959,30.125 35.825,26.259 35.825,22.159 37.159,20.825 43.959,20.825 46.2,18.584 v6(46.2,17.6)
I2C_2_SDA: CON3.4 I2C2/3.6 | length 61.3
  Top Layer w0.15: I2C2/3.6@5,34.625 v6(6.2,34.625)
  Top Layer w0.2: CON3.4@45.267,9.091 45.267,11.067 45.65,11.45 46.245,11.45 46.9,12.105 v6(46.9,17.8)
  Signal Layer 2 w0.2: v6(6.2,34.625) 7.175,34.625 8.3,33.5 17.094,33.5 20.119,30.475 32.104,30.475 36.175,26.404 36.175,22.304 37.304,21.175 44.104,21.175 46.9,18.379 v6(46.9,17.8)
I2C_3_SCL: CON3.10 I2C2/3.3 | length 70.9
  Top Layer w0.15: v1(3.3,31) 4.625,31 I2C2/3.3@4.75,30.875 ; CON3.10@43.768,9.091 43.768,11.268 45.05,12.55 45.25,12.55 v5(45.4,12.7)
  Signal Layer 2 w0.2: v1(3.3,31) 3,31 2.6,31.4 2.6,34.4 3.4,35.2 7.2,35.2 8.55,33.85 17.239,33.85 20.264,30.825 32.249,30.825 36.525,26.549 36.525,22.449 37.449,21.525 44.275,21.525 47.4,18.4 47.4,16.464 45.75,14.814 45.75,13.05 v5(45.4,12.7)
  Bottom Layer w0.15: v5(45.4,12.7) v5@45.45,12.75
I2C_3_SDA: CON3.8 I2C2/3.4 | length 74.7
  Top Layer w0.15: v1(3.3,32.1) 4.725,32.1 I2C2/3.4@4.75,32.125 ; CON3.8@44.251,9.091 44.251,11.256 45.245,12.25 45.586,12.25 45.936,12.6 v5(46.1,12.6)
  Signal Layer 2 w0.2: v1(3.3,32.1) 3.8,31.6 3.8,30.814 ; 3.75,30.814 3.486,30.55 2.955,30.55 2.25,31.255 2.25,34.545 3.255,35.55 7.345,35.55 8.695,34.2 17.384,34.2 20.409,31.175 32.394,31.175 36.875,26.694 36.875,22.594 37.594,21.875 44.42,21.875 47.75,18.545 47.75,16.319 46.1,14.669 v5(46.1,12.6)
I2C_4_SCL: CON3.5 I2C4.2 USART4.5 | length 80.9
  Top Layer w0.15: v6(11.6,32.7) 11.6,34.075 I2C4.2@11.675,34.15 ; v5(44.6,15.4) 44.7,15.5 44.759,15.441 CON3.5@44.759,14.408
  Signal Layer 1 w0.15: v1(3.5,5.625) 3.175,5.625 2.8,6 2.8,10.576 11.7,19.476 11.7,32.6 v6(11.6,32.7)
  Signal Layer 2 w0.15: v6(11.6,32.7) 16.94,32.7 19.84,29.8 21.2,29.8 31.824,29.8 35.5,26.124 35.5,22.024 37.024,20.5 43.824,20.5 45.225,19.099 45.225,16.225 44.6,15.6 v5(44.6,15.4)
  Bottom Layer w0.15: v1(3.5,5.625) USART4.5@4.75,5.625
I2C_4_SDA: CON3.3 I2C4.3 USART4.6 | length 82.5
  Top Layer w0.15: v5(44.8,16.6) 44.8,16.001 45.267,15.534 CON3.3@45.267,14.408
  Top Layer w0.2: v6(10.6,32.3) I2C4.3@10.6,33.775
  Signal Layer 1 w0.15: v1(3.5,4.4) 2.5,5.4 2.5,10.7 11.4,19.6 11.4,32.2 11.3,32.3 v6(10.6,32.3)
  Signal Layer 2 w0.15: v6(10.6,32.3) 10.625,32.275 12.375,32.275 12.5,32.4 16.8,32.4 19.7,29.5 31.7,29.5 35.2,26 35.2,21.9 36.9,20.2 43.7,20.2 44.8,19.1 v5(44.8,16.6)
  Bottom Layer w0.15: v1(3.5,4.4) 4.725,4.4 USART4.6@4.75,4.375
I2C_SCL1_GPS: CON3.37 GPS1.5 JP2.3 | length 85.3
  Top Layer w0.154: GPS1.5@4.75,9.375 6.125,9.375 6.3,9.2 6.3,8.4 6.6,8.1 v2(7.4,8.1) ; CON3.37@36.758,14.408 36.758,14.907 36.962,15.111 36.962,15.996 37.1,16.134 v2(37.1,16.9)
  Signal Layer 1 w0.154: v1(51,16.2) 52.913,16.2 55.54,18.827 57.54,18.827 58.14,19.427 59.2,19.427 59.5,19.727 v1(59.5,26.3)
  Signal Layer 2 w0.154: v2(7.4,8.1) 7.7,7.8 17.4,7.8 18.6,9 18.6,15.1 17.6,16.1 17.6,19.8 18.2,20.4 28.828,20.4 31.332,17.896 36.504,17.896 37.073,17.327 37.073,16.927 v2(37.1,16.9)
  Bottom Layer w0.154: v2(37.1,16.9) 37.452,16.548 38.205,16.548 38.809,15.944 44.422,15.944 44.497,15.869 50.469,15.869 50.8,16.2 v1(51,16.2) ; JP2.3@55.95,26.25 59.45,26.25 v1(59.5,26.3)
I2C_SDA1_GPS: CON3.35 GPS1.6 JP1.3 | length 87.1
  Top Layer w0.154: GPS1.6@4.75,10.625 6.575,10.625 7.1,10.1 v2(7.1,8.7) ; CON3.35@37.266,14.408 37.266,15.87 37.7,16.304 v2@37.7,17
  Signal Layer 1 w0.154: v1(50.5,16.6) 50.527,16.627 51.177,16.627 51.3,16.504 52.787,16.504 55.414,19.131 57.414,19.131 58.014,19.731 59.031,19.731 59.196,19.896 59.196,26 59.073,26.123 59.073,27.473 v1(59.3,27.7)
  Signal Layer 2 w0.154: v2(7.1,8.7) 7.9,8.7 8.496,8.104 17.274,8.104 18.296,9.126 18.296,14.974 17.296,15.974 17.296,19.926 18.074,20.704 28.954,20.704 31.458,18.2 36.9,18.2 37.8,17.3 v2(37.8,17)
  Bottom Layer w0.154: v2(37.8,17) 37.905,16.895 37.915,16.906 38.277,16.906 38.935,16.248 44.548,16.248 44.623,16.173 50.073,16.173 v1(50.5,16.6) ; JP1.3@55.95,27.75 56,27.7 v1(59.3,27.7)
I/O_POWER_BREATHING: D2.2 U13.32 | length 20.5
  Bottom Layer w0.1: D2.2@14.75,2.7 14.75,3.5 15,3.75 18,3.75 19.25,2.5 23,2.5 25,4.5 25,8.054 26.075,9.129 26.075,10.925 25.75,11.25 U13.32@25.75,11.95
IMU_TEMPERATURE_CONTROL: D1.2 U13.27 | length 18.3
  Bottom Layer w0.1: D1.2@17.25,2.7 17.3,2.75 18.293,2.75 19.043,2 23.207,2 25.5,4.293 25.5,7.75 28.25,10.5 U13.27@28.25,11.95
IO1_3V3: C13.2 C15.2 C24.1 C26.2 C27.1 C50.2 L9.P$1 pad.5 R13.2 R14.2 U5.2 U5.10 U6.2 U6.10 U8.1 U8.2 U9.8 U19.2 U19.10 | length 150.6
  Top Layer w0.15: v1(55.6,1.3) L9.P$1@56.3,1.3
  Top Layer w0.2: R14.2@11.6,17.375 11.6,20.3 12.3,21 16.753,21 v1(17.464,21.711) ; R13.2@11.625,31.775 v1(12.625,31.775)
  Signal Layer 1 w0.2: 55.5,3.1 55.6,3 v1(55.6,1.3)
  Signal Layer 1 w0.25: v2(17.464,11.431) 17.4,11.367 v2(17.4,5.2) 17.4,3.3 17.975,2.725 28.525,2.725 30,4.2 47.8,4.2 48.9,3.1 55.5,3.1 58.6,3.1 59.4,3.9 59.4,6.738 59.389,6.749 59.389,7.589 60.5,8.7 60.5,12.5 v1(60.2,12.8) 58.3,12.8 57.4,13.7 55.6,13.7 55.4,13.9 55.4,15.626 v1(56.013,16.239)
  Signal Layer 1 w0.3: v1(12.625,31.775) 12.625,30.575 13,30.2 13.559,30.2 14,29.759 14,29.1 14.7,28.4 14.7,26.2 13.3,24.8 13.3,23.4 ; v2(17.464,11.431) 17.464,11.936 17.075,12.325 11.176,12.325 9.925,13.576 9.925,16.495 12.975,19.545 13.025,19.595 13.025,21.425 13.3,21.7 13.3,23.4 ; v1(17.464,21.711) 17.089,21.711 16.8,22 16.8,23.3 16.4,23.7 13.6,23.7 13.3,23.4
  Signal Layer 2 w0.25: v1@55.1,6.9 55.1,8.2 56.4,9.5 56.4,11.8 55.538,12.662 55.538,15.764 v1(56.013,16.239)
  Bottom Layer w0.15: U6.2@17.45,20.35 17.45,21.697 v1(17.464,21.711) ; C27.1@56.213,16.239 57.037,16.239 C26.2@57.4,16.603 ; U8.2@56.696,20.061 56.696,19.704 56.847,19.553 U8.1@57.696,19.553 C24.1@57.696,18.229 ; U9.8@57.4,15.35 C26.2@57.4,16.603 ; C24.1@57.725,18.2 57.725,17.525 57.4,17.2 C26.2@57.4,16.603
  Bottom Layer w0.25: U6.10@16.45,16.35 16.45,14.95 17.464,13.936 v2(17.464,11.431) U5.2@17.464,10.651 ; U5.10@16.464,6.65 16.464,6.336 17.4,5.4 v2(17.4,5.2) ; v1(55.039,6.936) 55.039,7.439 55.7,8.1 U19.2@56.5,8.1
  Bottom Layer w0.254: U19.10@57.5,12.1 57.5,12.7 57.8,13 60,13 v1(60.2,12.8)